# KiCad board SlowLampLEDPanel.kicad_pcb (continued)
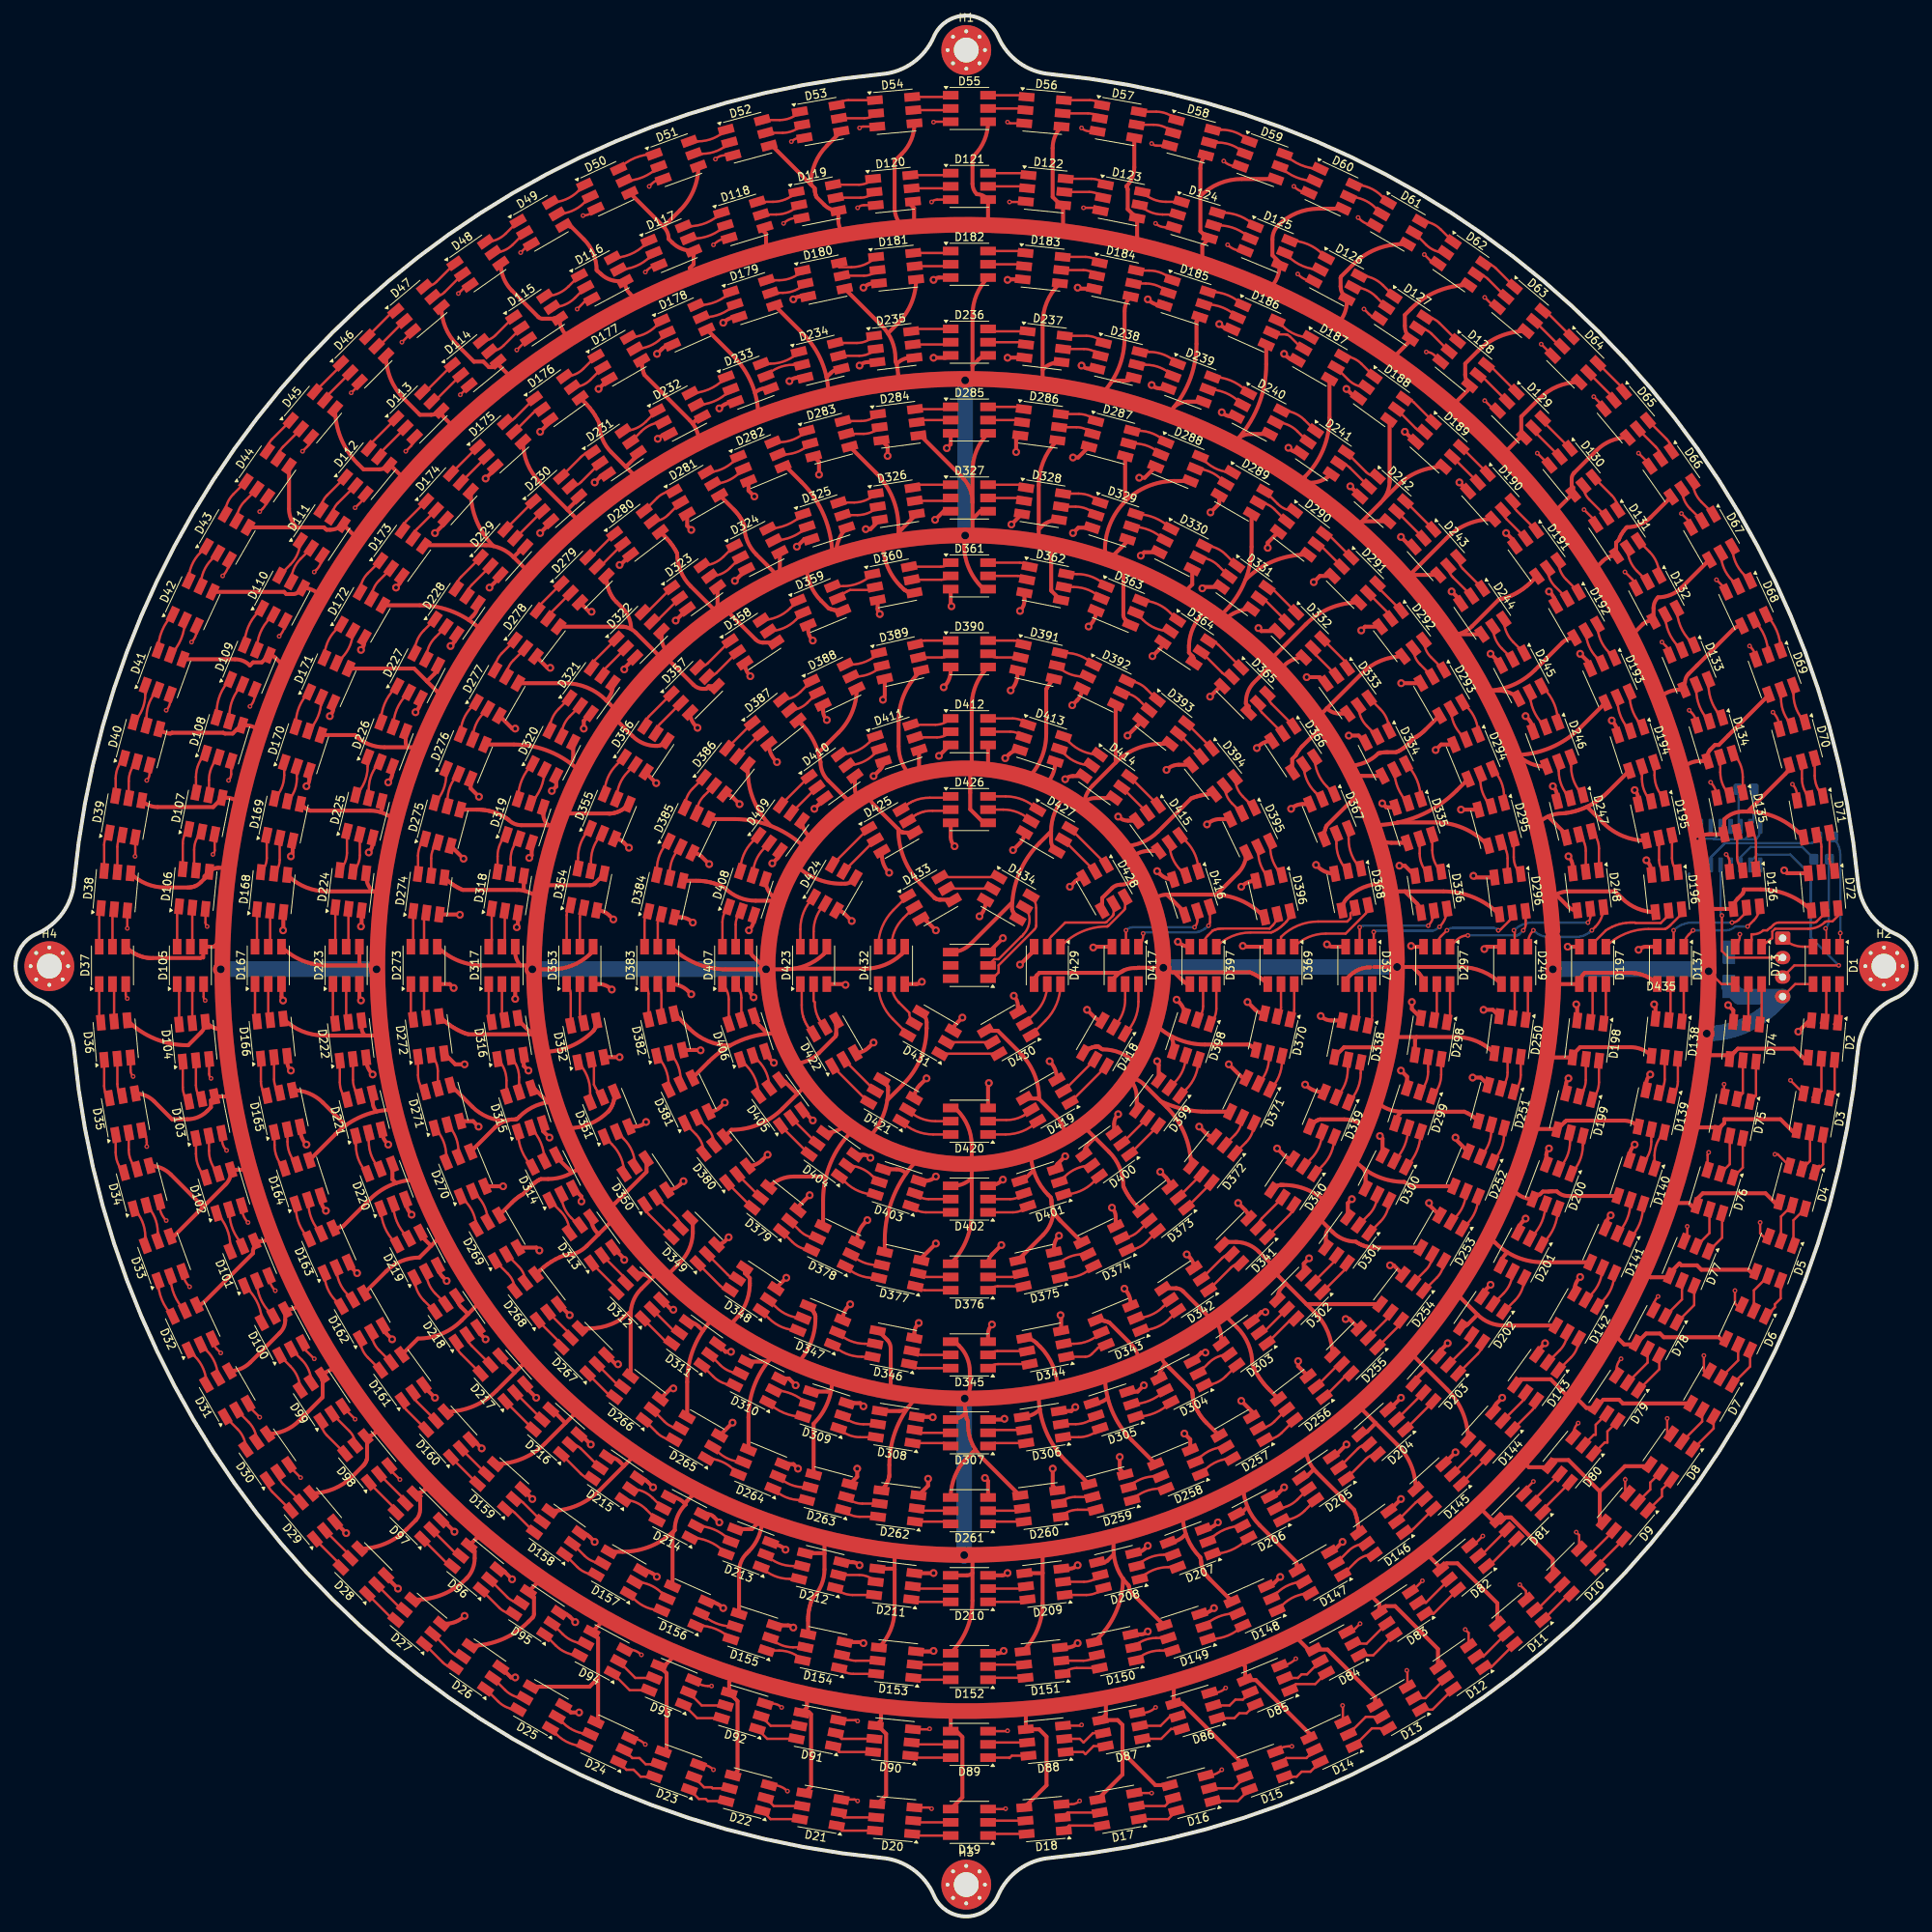
[diagram p0: board, top side]
## Routing (per net, layer and track width the routed paths; a pad name or vN(x,y) marks a point on that pad's centre or on a via; arc(x,y) is an arc through that point) (continued)
Net-(D154-DO): length 5
  Top w0.3: D155.1 98.02,34.13 arc(99.65,33.8) D154.6
Net-(D155-CO): length 4.8
  Top w0.3: D155.5 92.03,37.23 arc(89.86,37.66) D156.2
Net-(D155-DO): length 4.9
  Top w0.3: D156.1 87.66,37.33 arc(89.91,36.88) D155.6
Net-(D156-CO): length 4.8
  Top w0.3: D156.5 82.97,41.51 arc(81.38,42.57) D157.2
Net-(D156-DO): length 5
  Top w0.3: D157.1 79.36,40.77 arc(81.01,39.67) D156.6
Net-(D157-CO): length 4.8
  Top w0.3: D158.2 73.04,46.3 arc(74.1,45.59) D157.5
Net-(D157-DO): length 5
  Top w0.3: D158.1 72.1,44.86 arc(73.2,44.12) D157.6
Net-(D158-CO): length 4.7
  Top w0.3: D158.5 65.17,53.11 arc(64.63,53.46) D159.2
Net-(D158-DO): length 4.9
  Top w0.3: D158.6 64.07,51.82 arc(63.52,52.2) D159.1
Net-(D159-CO): length 4.6
  Top w0.3: D160.2 D159.5
Net-(D159-DO): length 4.8
  Top w0.3: D160.1 D159.6
Net-(D160-CO): length 4.7
  Top w0.3: D160.5 51.52,66.07 arc(51.16,66.61) D161.2
Net-(D160-DO): length 4.9
  Top w0.3: D160.6 50.16,65.03 arc(49.79,65.58) D161.1
Net-(D161-CO): length 4.8
  Top w0.3: D161.5 46.66,72.68 arc(45.94,73.74) D162.2
Net-(D161-DO): length 5
  Top w0.3: D161.6 45.22,71.74 arc(44.48,72.85) D162.1
Net-(D162-CO): length 4.8
  Top w0.3: D162.5 42.62,79.83 arc(41.57,81.41) D163.2
Net-(D162-DO): length 5
  Top w0.3: D162.6 41.13,79 arc(40.03,80.65) D163.1
Net-(D163-CO): length 4.8
  Top w0.3: D164.2 37.58,91.67 arc(38.01,89.5) D163.5
Net-(D163-DO): length 4.9
  Top w0.3: D164.1 35.97,91.13 arc(36.41,88.88) D163.6
Net-(D164-CO): length 4.8
  Top w0.3: D165.2 34.9,99.44 arc(35.21,97.88) D164.5
Net-(D164-DO): length 5
  Top w0.3: D165.1 33.24,99.03 arc(33.56,97.4) D164.6
Net-(D165-CO): length 4.8
  Top w0.3: D166.2 33.18,107.46 arc(33.37,106.52) D165.5
Net-(D165-DO): length 4.9
  Top w0.3: D166.1 31.49,107.18 arc(31.69,106.19) D165.6
Net-(D166-CO): length 4.7
  Top w0.3: D167.2 32.44,115.64 arc(32.5,115.33) D166.5
Net-(D166-DO): length 4.9
  Top w0.3: D167.1 30.74,115.49 arc(30.8,115.16) D166.6
Net-(D167-CO): length 4.7
  Top w0.3: D168.2 32.68,125.06 arc(32.62,124.75) D167.5
Net-(D167-DO): length 4.9
  Top w0.3: D168.1 30.99,125.09 arc(30.92,124.76) D167.6
Net-(D168-CO): length 4.8
  Top w0.3: D169.2 33.9,135.62 arc(33.72,134.68) D168.5
Net-(D168-DO): length 4.9
  Top w0.3: D169.1 32.24,135.87 arc(32.05,134.88) D168.6
Net-(D169-CO): length 4.8
  Top w0.3: D170.2 36.1,146.03 arc(35.79,144.47) D169.5
Net-(D169-DO): length 5
  Top w0.3: D170.1 34.48,146.49 arc(34.16,144.87) D169.6
Net-(D170-CO): length 4.8
  Top w0.3: D171.2 39.24,156.18 arc(38.81,154.01) D170.5
Net-(D170-DO): length 4.9
  Top w0.3: D170.6 35.97,153.03 arc(36.41,155.28) D171.1
Net-(D171-CO): length 4.8
  Top w0.3: D171.5 41.86,161.55 arc(42.92,163.13) D172.2
Net-(D171-DO): length 5
  Top w0.3: D172.1 41.13,165.15 arc(40.03,163.51) D171.6
Net-(D172-CO): length 4.8
  Top w0.3: D173.2 46.66,171.48 arc(45.94,170.41) D172.5
Net-(D172-DO): length 5
  Top w0.3: D173.1 45.22,172.42 arc(44.48,171.31) D172.6
Net-(D173-CO): length 4.7
  Top w0.3: D174.2 51.52,178.09 arc(51.16,177.55) D173.5
Net-(D173-DO): length 4.9
  Top w0.3: D174.1 50.16,179.13 arc(49.79,178.58) D173.6
Net-(D174-CO): length 4.6
  Top w0.3: D174.5 D175.2
Net-(D174-DO): length 4.8
  Top w0.3: D174.6 D175.1
Net-(D175-CO): length 4.7
  Top w0.3: D175.5 66.43,193 arc(66.96,193.35) D176.2
Net-(D175-DO): length 4.9
  Top w0.3: D176.1 64.07,192.33 arc(63.52,191.96) D175.6
Net-(D176-CO): length 4.8
  Top w0.3: D177.2 73.8,197.26 arc(72.73,196.55) D176.5
Net-(D176-DO): length 5
  Top w0.3: D177.1 72.89,198.68 arc(71.78,197.94) D176.6
Net-(D177-CO): length 4.8
  Top w0.3: D178.2 82.97,202.65 arc(81.38,201.59) D177.5
Net-(D177-DO): length 5
  Top w0.3: D178.1 82.25,204.18 arc(80.61,203.08) D177.6
Net-(D178-CO): length 4.8
  Top w0.3: D178.5 88.34,205.27 arc(90.51,205.71) D179.2
Net-(D178-DO): length 4.9
  Top w0.3: D178.6 87.66,206.83 arc(89.91,207.28) D179.1
Net-(D179-CO): length 4.8
  Top w0.3: D179.5 98.49,208.42 arc(100.05,208.73) D180.2
Net-(D179-DO): length 5
  Top w0.3: D179.6 98.02,210.03 arc(99.65,210.36) D180.1
Net-(D180-CO): length 4.8
  Top w0.3: D180.5 108.89,210.61 arc(109.84,210.8) D181.2
Net-(D180-DO): length 5.7
  Top w0.3: D180.6 105.72,211.71 105.72,211.71 107.28,211.71 arc(109.01,212.05) D181.1
Net-(D181-CO): length 4.7
  Top w0.3: D181.5 119.45,211.84 arc(119.77,211.9) D182.2
Net-(D181-DO): length 4.9
  Top w0.3: D181.6 119.43,213.53 arc(119.76,213.59) D182.1
Net-(D182-CO): length 4.7
  Top w0.3: D182.5 128.87,212.08 arc(129.19,212.02) D183.2
Net-(D182-DO): length 4.9
  Top w0.3: D182.6 129.03,213.78 arc(129.36,213.71) D183.1
Net-(D183-CO): length 4.8
  Top w0.3: D183.5 137.05,211.34 arc(138,211.15) D184.2
Net-(D183-DO): length 4.9
  Top w0.3: D183.6 137.34,213.03 arc(138.32,212.83) D184.1
Net-(D184-CO): length 4.8
  Top w0.3: D184.5 145.07,209.61 arc(146.64,209.3) D185.2
Net-(D184-DO): length 5
  Top w0.3: D184.6 145.49,211.28 arc(147.11,210.95) D185.1
Net-(D185-CO): length 4.8
  Top w0.3: D185.5 152.85,206.93 arc(155.01,206.5) D186.2
Net-(D185-DO): length 4.9
  Top w0.3: D185.6 153.38,208.55 arc(155.63,208.1) D186.1
Net-(D186-CO): length 4.9
  Top w0.3: D186.5 161.4,203.15 161.46,203.13 161.5,203.13 161.66,203.08 163.04,203.08 163.06,203.08 163.22,203.05 163.31,203.01 163.57,202.83 165.14,201.27 165.23,201.23 D187.2
Net-(D186-DO): length 5
  Top w0.3: D186.6 162.62,204.18 arc(164.27,203.08) D187.1
Net-(D187-CO): length 4.8
  Top w0.3: D187.5 171.07,197.26 arc(172.14,196.55) D188.2
Net-(D187-DO): length 5
  Top w0.3: D188.1 172.78,199.29 arc(171.67,200.03) D187.6
Net-(D188-CO): length 4.7
  Top w0.3: D188.5 179.71,191.05 arc(180.24,190.69) D189.2
Net-(D188-DO): length 4.9
  Top w0.3: D189.1 179.49,194.35 arc(178.93,194.73) D188.6
Net-(D189-CO): length 4.6
  Top w0.3: D189.5 D190.2
Net-(D189-DO): length 4.8
  Top w0.3: D189.6 D190.1
Net-(D190-CO): length 4.7
  Top w0.3: D191.2 191.41,179.35 arc(191.05,179.89) D190.5
Net-(D190-DO): length 4.9
  Top w0.3: D191.1 192.69,180.44 arc(192.32,181) D190.6
Net-(D191-CO): length 4.8
  Top w0.3: D192.2 197.62,170.72 arc(196.91,171.78) D191.5
Net-(D191-DO): length 5
  Top w0.3: D192.1 199.03,171.63 arc(198.29,172.73) D191.6
Net-(D192-CO): length 4.8
  Top w0.3: D193.2 203.01,161.55 arc(201.95,163.13) D192.5
Net-(D192-DO): length 5
  Top w0.3: D193.1 204.54,162.27 arc(203.44,163.91) D192.6
Net-(D193-CO): length 4.8
  Top w0.3: D193.5 205.63,156.18 arc(206.06,154.01) D194.2
Net-(D193-DO): length 4.9
  Top w0.3: D193.6 207.19,156.86 arc(207.63,154.61) D194.1
Net-(D194-CO): length 4.8
  Top w0.3: D194.5 208.77,146.03 arc(209.08,144.47) D195.2
Net-(D194-DO): length 5
  Top w0.3: D194.6 210.39,146.49 arc(210.71,144.87) D195.1
Net-(D195-CO): length 4.8
  Top w0.3: D195.5 210.97,135.62 arc(211.16,134.68) D196.2
Net-(D195-DO): length 4.9
  Top w0.3: D195.6 212.63,135.87 arc(212.83,134.88) D196.1
Net-(D196-CO): length 12
  Top w0.3: D196.5 212.19,128.99 arc(212.18,128.88) 212.16,128.78 arc(212.02,128.42) 211.79,128.12 211.19,127.52 207.98,127.52 arc(207.9,127.53) 207.84,127.58 207.46,127.58 207.22,127.58 206.76,127.54 206.29,127.47 205.84,127.36 205.39,127.21 204.96,127.03 204.54,126.82 204.14,126.57 202.71,125.15 arc(202.51,124.84) D197.2
Net-(D196-DO): length 11.7
  Top w0.3: D196.6 213.88,129.15 213.87,129.04 213.85,128.9 213.82,128.79 213.79,128.71 213.77,128.66 213.75,128.61 213.74,128.58 213.68,128.5 212.42,127.24 212.3,127.12 212.19,127.03 212.05,126.92 211.93,126.85 211.84,126.8 211.77,126.77 211.72,126.75 209.61,126.75 arc(206.65,126.16) D197.1
Net-(D197-CO): length 4.9
  Top w0.3: D197.5 202.44,115.53 arc(202.36,115.14) D198.2
Net-(D197-DO): length 5.1
  Top w0.3: D197.6 204.14,115.35 arc(204.06,114.95) D198.1
Net-(D198-CO): length 5
  Top w0.3: D198.5 201.56,107.38 arc(201.34,106.24) D199.2
Net-(D198-DO): length 5.2
  Top w0.3: D198.6 203.25,107.07 arc(203.01,105.87) D199.1
Net-(D199-CO): length 5
  Top w0.3: D199.5 199.54,99.45 arc(199.16,97.56) D200.2
Net-(D199-DO): length 5.2
  Top w0.3: D199.6 201.19,99 arc(200.8,97.02) D200.1
Net-(D200-CO): length 5
  Top w0.3: D201.2 194.66,87.3 arc(195.94,89.21) D200.5
Net-(D200-DO): length 5.2
  Top w0.3: D201.1 196.18,86.52 arc(197.51,88.51) D200.6
Net-(D201-CO): length 5
  Top w0.3: D202.2 190.99,79.96 arc(191.86,81.25) D201.5
Net-(D201-DO): length 5.3
  Top w0.3: D202.1 192.45,79.05 arc(193.35,80.4) D201.6
Net-(D202-CO): length 5
  Top w0.3: D203.2 186.33,73.24 arc(186.76,73.89) D202.5
Net-(D202-DO): length 5.2
  Top w0.3: D203.1 187.7,72.22 arc(188.15,72.89) D202.6
Net-(D203-CO): length 4.9
  Top w0.3: D203.5 D204.2
Net-(D203-DO): length 5.1
  Top w0.3: D203.6 D204.1
Net-(D204-CO): length 5
  Top w0.3: D205.2 172.27,60.02 arc(172.92,60.45) D204.5
Net-(D204-DO): length 5.2
  Top w0.3: D205.1 173.34,58.72 arc(174.02,59.18) D204.6
Net-(D205-CO): length 5
  Top w0.3: D205.5 164.55,53.52 arc(163.26,52.66) D206.2
Net-(D205-DO): length 5.3
  Top w0.3: D205.6 165.46,52.07 arc(164.12,51.17) D206.1
Net-(D206-CO): length 5
  Top w0.3: D207.2 153.32,48.4 arc(155.23,49.68) D206.5
Net-(D206-DO): length 5.2
  Top w0.3: D206.6 158,48.34 arc(156,47.01) D207.1
Net-(D207-CO): length 5
  Top w0.3: D207.5 147.41,46.43 arc(145.52,46.05) D208.2
Net-(D207-DO): length 5.2
  Top w0.3: D207.6 147.96,44.84 arc(145.99,44.45) D208.1
Net-(D208-CO): length 5
  Top w0.3: D209.2 137.13,42.95 arc(138.28,43.18) D208.5
Net-(D208-DO): length 5.2
  Top w0.3: D209.1 137.45,41.26 arc(138.65,41.5) D208.6
Net-(D209-CO): length 4.9
  Top w0.3: D210.2 128.99,42.08 arc(129.37,42.16) D209.5
Net-(D209-DO): length 5.1
  Top w0.3: D210.1 129.16,40.38 arc(129.56,40.46) D209.6
Net-(D210-CO): length 4.9
  Top w0.3: D210.5 115.89,42.08 arc(115.5,42.16) D211.2
Net-(D210-DO): length 5.1
  Top w0.3: D210.6 115.71,40.38 arc(115.31,40.46) D211.1
Net-(D211-CO): length 5
  Top w0.3: D212.2 108.29,43.83 arc(109.44,43.6) D211.5
Net-(D211-DO): length 5.2
  Top w0.3: D211.6 107.42,41.26 arc(106.23,41.5) D212.1
Net-(D212-CO): length 5
  Top w0.3: D212.5 99.81,44.98 arc(97.92,45.35) D213.2
Net-(D212-DO): length 5.2
  Top w0.3: D212.6 99.35,43.33 arc(97.38,43.72) D213.1
Net-(D213-CO): length 5
  Top w0.3: D213.5 91.55,48.4 arc(89.64,49.68) D214.2
Net-(D213-DO): length 5.2
  Top w0.3: D213.6 90.94,46.82 arc(88.95,48.15) D214.1
Net-(D214-CO): length 5
  Top w0.3: D214.5 81.78,53.71 arc(80.49,54.57) D215.2
Net-(D214-DO): length 5.3
  Top w0.3: D214.6 80.93,52.26 arc(79.59,53.16) D215.1
Net-(D215-CO): length 5
  Top w0.3: D215.5 72.6,60.02 arc(71.95,60.45) D216.2
Net-(D215-DO): length 5.2
  Top w0.3: D216.1 72.57,56.82 arc(73.25,56.36) D215.6
Net-(D216-CO): length 4.9
  Top w0.3: D217.2 D216.5
Net-(D216-DO): length 5.1
  Top w0.3: D217.1 D216.6
Net-(D217-CO): length 5
  Top w0.3: D217.5 58.55,73.24 arc(58.11,73.89) D218.2
Net-(D217-DO): length 5.2
  Top w0.3: D217.6 57.17,72.22 arc(56.72,72.89) D218.1
Net-(D218-CO): length 5
  Top w0.3: D218.5 53.88,79.96 arc(53.02,81.25) D219.2
Net-(D218-DO): length 5.3
  Top w0.3: D218.6 52.42,79.05 arc(51.53,80.4) D219.1
Net-(D219-CO): length 5
  Top w0.3: D219.5 50.21,87.3 arc(48.94,89.21) D220.2
Net-(D219-DO): length 5.2
  Top w0.3: D219.6 48.7,86.52 arc(47.36,88.51) D220.1
Net-(D220-CO): length 5
  Top w0.3: D221.2 45.34,99.45 arc(45.71,97.56) D220.5
Net-(D220-DO): length 5.2
  Top w0.3: D221.1 43.69,99 arc(44.08,97.02) D220.6
Net-(D221-CO): length 5
  Top w0.3: D222.2 43.31,107.38 arc(43.54,106.24) D221.5
Net-(D221-DO): length 5.2
  Top w0.3: D222.1 41.62,107.07 arc(41.86,105.87) D221.6
Net-(D222-CO): length 4.9
  Top w0.3: D223.2 42.44,115.53 arc(42.51,115.14) D222.5
Net-(D222-DO): length 5.1
  Top w0.3: D223.1 40.74,115.35 arc(40.82,114.95) D222.6
Net-(D223-CO): length 4.9
  Top w0.3: D224.2 42.73,125.19 arc(42.65,124.81) D223.5
Net-(D223-DO): length 5.1
  Top w0.3: D224.1 41.04,125.22 arc(40.96,124.82) D223.6
Net-(D224-CO): length 5
  Top w0.3: D225.2 44.19,136.22 arc(43.96,135.08) D224.5
Net-(D224-DO): length 5.2
  Top w0.3: D225.1 42.54,136.52 arc(42.3,135.32) D224.6
Net-(D225-CO): length 5
  Top w0.3: D225.5 45.34,144.71 arc(45.71,146.6) D226.2
Net-(D225-DO): length 5.2
  Top w0.3: D226.1 45.19,147.61 arc(44.8,145.63) D225.6
Net-(D226-CO): length 5
  Top w0.3: D227.2 50.21,156.86 arc(48.94,154.95) D226.5
Net-(D226-DO): length 5.2
  Top w0.3: D227.1 48.7,157.64 arc(47.36,155.65) D226.6
Net-(D227-CO): length 5
  Top w0.3: D228.2 53.88,164.2 arc(53.02,162.9) D227.5
Net-(D227-DO): length 5.3
  Top w0.3: D228.1 52.42,165.1 arc(51.53,163.76) D227.6
Net-(D228-CO): length 5
  Top w0.3: D229.2 58.55,170.92 arc(58.11,170.27) D228.5
Net-(D228-DO): length 5.2
  Top w0.3: D229.1 57.17,171.94 arc(56.72,171.26) D228.6
Net-(D229-CO): length 4.9
  Top w0.3: D229.5 D230.2
Net-(D229-DO): length 5.1
  Top w0.3: D229.6 D230.1
Net-(D230-CO): length 5
  Top w0.3: D231.2 72.6,184.14 arc(71.95,183.7) D230.5
Net-(D230-DO): length 5.2
  Top w0.3: D230.6 72.57,187.34 arc(73.25,187.79) D231.1
Net-(D231-CO): length 5
  Top w0.3: D231.5 80.32,190.64 arc(81.61,191.5) D232.2
Net-(D231-DO): length 5.3
  Top w0.3: D232.1 80.93,191.89 arc(79.59,191) D231.6
Net-(D232-CO): length 5
  Top w0.3: D233.2 91.55,195.76 arc(89.64,194.48) D232.5
Net-(D232-DO): length 5.2
  Top w0.3: D233.1 90.94,197.34 arc(88.95,196) D232.6
Net-(D233-CO): length 5
  Top w0.3: D234.2 99.81,199.18 arc(97.92,198.8) D233.5
Net-(D233-DO): length 5.2
  Top w0.3: D233.6 96.91,199.32 arc(98.88,199.71) D234.1
Net-(D234-CO): length 5
  Top w0.3: D234.5 108.29,200.33 arc(109.44,200.56) D235.2
Net-(D234-DO): length 5.2
  Top w0.3: D234.6 108,201.98 arc(109.19,202.22) D235.1
Net-(D235-CO): length 4.9
  Top w0.3: D235.5 119.33,201.79 arc(119.71,201.86) D236.2
Net-(D235-DO): length 5.1
  Top w0.3: D236.1 115.71,203.78 arc(115.31,203.7) D235.6
Net-(D236-CO): length 4.9
  Top w0.3: D236.5 128.99,202.08 arc(129.37,202) D237.2
Net-(D236-DO): length 5.1
  Top w0.3: D237.1 125.58,203.47 arc(125.18,203.55) D236.6
Net-(D237-CO): length 5
  Top w0.3: D237.5 137.13,201.21 arc(138.28,200.98) D238.2
Net-(D237-DO): length 5.2
  Top w0.3: D237.6 137.45,202.89 arc(138.65,202.66) D238.1
Net-(D238-CO): length 5
  Top w0.3: D238.5 145.06,199.18 arc(146.96,198.8) D239.2
Net-(D238-DO): length 5.2
  Top w0.3: D238.6 145.52,200.83 arc(147.49,200.44) D239.1
Net-(D239-CO): length 5
  Top w0.3: D240.2 157.22,194.3 arc(155.31,195.58) D239.5
Net-(D239-DO): length 5.2
  Top w0.3: D240.1 158,195.82 arc(156,197.15) D239.6
Net-(D240-CO): length 5
  Top w0.3: D241.2 164.55,190.64 arc(163.26,191.5) D240.5
Net-(D240-DO): length 5.3
  Top w0.3: D241.1 165.46,192.09 arc(164.12,192.99) D240.6
Net-(D241-CO): length 5
  Top w0.3: D242.2 171.27,185.97 arc(170.62,186.4) D241.5
Net-(D241-DO): length 5.2
  Top w0.3: D241.6 173.34,185.44 arc(174.02,184.98) D242.1
Net-(D242-CO): length 4.9
  Top w0.3: D242.5 D243.2
Net-(D242-DO): length 5.1
  Top w0.3: D242.6 D243.1
Net-(D243-CO): length 5
  Top w0.3: D244.2 184.5,171.92 arc(184.06,172.57) D243.5
Net-(D243-DO): length 5.2
  Top w0.3: D244.1 185.79,172.98 arc(185.34,173.66) D243.6
Net-(D244-CO): length 5
  Top w0.3: D245.2 190.8,162.74 arc(189.94,164.03) D244.5
Net-(D244-DO): length 5.3
  Top w0.3: D245.1 192.25,163.58 arc(191.35,164.93) D244.6
Net-(D245-CO): length 5
  Top w0.3: D246.2 196.12,152.96 arc(194.84,154.88) D245.5
Net-(D245-DO): length 5.2
  Top w0.3: D245.6 196.18,157.64 arc(197.51,155.65) D246.1
Net-(D246-CO): length 5
  Top w0.3: D246.5 198.09,147.05 arc(198.47,145.16) D247.2
Net-(D246-DO): length 5.2
  Top w0.3: D246.6 199.68,147.61 arc(200.07,145.63) D247.1
Net-(D247-CO): length 5
  Top w0.3: D248.2 201.56,136.78 arc(201.34,137.92) D247.5
Net-(D247-DO): length 5.2
  Top w0.3: D248.1 203.25,137.09 arc(203.01,138.29) D247.6
Net-(D248-CO): length 13.7
  Top w0.3: D248.5 202.14,128.32 arc(202.06,127.92) v2(201.84,127.58) ; D249.2 192.44,126.34 arc(192.41,126.47) v2(192.34,126.58)
  Bottom w0.3: v2(201.84,127.58) 194.75,127.58 arc(193.44,127.32) v2(192.34,126.58)
Net-(D248-DO): length 13.7
  Top w0.3: D249.1 194.14,124.89 arc(194.32,125.8) v2(194.84,126.58) ; v2(202.34,126.58) 202.79,127.03 arc(203.56,128.19) D248.6
  Bottom w0.3: 200.34,125.73 196.89,125.73 196.89,125.73 arc(195.78,125.95) v2(194.84,126.58) ; v2(202.34,126.58) 202.22,126.47 arc(202.1,126.36) 201.96,126.26 arc(201.17,125.86) 200.28,125.73
Net-(D249-CO): length 4.4
  Top w0.3: D249.5 192.44,116.01 arc(192.36,115.64) D250.2
Net-(D249-DO): length 4.7
  Top w0.3: D249.6 194.14,115.82 arc(194.06,115.43) D250.1
Net-(D250-CO): length 4.5
  Top w0.3: D250.5 191.52,108.34 arc(191.3,107.22) D251.2
Net-(D250-DO): length 4.7
  Top w0.3: D250.6 193.21,108 arc(192.98,106.83) D251.1
Net-(D251-CO): length 4.5
  Top w0.3: D251.5 189.43,100.9 arc(189.07,99.06) D252.2
Net-(D251-DO): length 4.7
  Top w0.3: D251.6 191.07,100.42 arc(190.69,98.49) D252.1
Net-(D252-CO): length 4.5
  Top w0.3: D253.2 184.79,89.69 arc(185.83,91.24) D252.5
Net-(D252-DO): length 4.7
  Top w0.3: D253.1 186.29,88.86 arc(187.38,90.5) D252.6
Net-(D253-CO): length 4.5
  Top w0.3: D254.2 181.01,82.94 arc(181.64,83.89) D253.5
Net-(D253-DO): length 4.7
  Top w0.3: D254.1 182.44,81.99 arc(183.1,82.98) D253.6
Net-(D254-CO): length 4.4
  Top w0.3: D255.2 176.22,76.87 arc(176.44,77.19) D254.5
Net-(D254-DO): length 4.7
  Top w0.3: D255.1 177.56,75.8 arc(177.78,76.13) D254.6
Net-(D255-CO): length 4.4
  Top w0.3: D256.2 169.55,70.6 arc(169.86,70.81) D255.5
Net-(D255-DO): length 4.7
  Top w0.3: D256.1 170.71,69.38 arc(171.05,69.6) D255.6
Net-(D256-CO): length 4.5
  Top w0.3: D256.5 161.57,63.51 arc(160.63,62.88) D257.2
Net-(D256-DO): length 4.7
  Top w0.3: D256.6 162.53,62.08 arc(161.54,61.42) D257.1
Net-(D257-CO): length 4.5
  Top w0.3: D258.2 151.97,58.85 arc(153.52,59.89) D257.5
Net-(D257-DO): length 4.7
  Top w0.3: D258.1 152.65,57.31 arc(154.28,58.4) D257.6
Net-(D258-CO): length 4.5
  Top w0.3: D258.5 146.26,56.49 arc(144.43,56.12) D259.2
Net-(D258-DO): length 4.7
  Top w0.3: D258.6 146.87,54.92 arc(144.95,54.54) D259.1
Net-(D259-CO): length 4.5
  Top w0.3: D259.5 136.01,53.84 arc(134.9,53.62) D260.2
Net-(D259-DO): length 4.7
  Top w0.3: D259.6 136.34,52.2 arc(135.17,51.97) D260.1
Net-(D260-CO): length 4.4
  Top w0.3: D261.2 128.5,52.08 arc(128.88,52.15) D260.5
Net-(D260-DO): length 4.7
  Top w0.3: D260.6 125.56,50.68 arc(125.17,50.6) D261.1
Net-(D261-CO): length 4.4
  Top w0.3: D261.5 116.37,52.08 arc(116,52.15) D262.2
Net-(D261-DO): length 4.7
  Top w0.3: D262.1 119.31,50.68 arc(119.7,50.6) D261.6
Net-(D262-CO): length 4.5
  Top w0.3: D262.5 108.69,52.99 arc(107.58,53.21) D263.2
Net-(D262-DO): length 4.7
  Top w0.3: D262.6 108.36,51.31 arc(107.19,51.54) D263.1
Net-(D263-CO): length 4.5
  Top w0.3: D263.5 101.25,55.09 arc(99.42,55.45) D264.2
Net-(D263-DO): length 4.7
  Top w0.3: D263.6 100.78,53.44 arc(98.85,53.83) D264.1
Net-(D264-CO): length 4.5
  Top w0.3: D265.2 90.04,59.73 arc(91.6,58.69) D264.5
Net-(D264-DO): length 4.7
  Top w0.3: D264.6 92.23,57.31 arc(90.59,58.4) D265.1
Net-(D265-CO): length 4.5
  Top w0.3: D266.2 83.3,63.51 arc(84.25,62.88) D265.5
Net-(D265-DO): length 4.7
  Top w0.3: D266.1 82.35,62.08 arc(83.34,61.42) D265.6
Net-(D266-CO): length 4.4
  Top w0.3: D267.2 77.23,68.29 arc(77.55,68.08) D266.5
Net-(D266-DO): length 4.7
  Top w0.3: D267.1 76.16,66.96 arc(76.49,66.73) D266.6
Net-(D267-CO): length 4.4
  Top w0.3: D268.2 70.96,74.97 arc(71.17,74.65) D267.5
Net-(D267-DO): length 4.7
  Top w0.3: D268.1 69.74,73.8 arc(69.96,73.47) D267.6
Net-(D268-CO): length 4.5
  Top w0.3: D269.2 64.59,83.43 arc(65.22,82.48) D268.5
Net-(D268-DO): length 4.7
  Top w0.3: D269.1 63.2,82.5 arc(63.86,81.5) D268.6
Net-(D269-CO): length 4.5
  Top w0.3: D270.2 59.21,92.55 arc(60.25,90.99) D269.5
Net-(D269-DO): length 4.7
  Top w0.3: D270.1 57.67,91.87 arc(58.76,90.24) D269.6
Net-(D270-CO): length 4.5
  Top w0.3: D270.5 56.85,98.26 arc(56.48,100.09) D271.2
Net-(D270-DO): length 4.7
  Top w0.3: D270.6 55.28,97.64 arc(54.89,99.57) D271.1
Net-(D271-CO): length 4.5
  Top w0.3: D271.5 54.2,108.51 arc(53.98,109.62) D272.2
Net-(D271-DO): length 4.7
  Top w0.3: D272.1 51.66,108 arc(51.9,106.83) D271.6
Net-(D272-CO): length 4.4
  Top w0.3: D273.2 52.44,116.01 arc(52.51,115.64) D272.5
Net-(D272-DO): length 4.7
  Top w0.3: D273.1 50.74,115.82 arc(50.81,115.43) D272.6
Net-(D273-CO): length 4.4
  Top w0.3: D273.5 52.44,128.15 arc(52.51,128.52) D274.2
Net-(D273-DO): length 4.7
  Top w0.3: D274.1 51.04,125.2 arc(50.96,124.81) D273.6
Net-(D274-CO): length 4.5
  Top w0.3: D274.5 53.35,135.82 arc(53.57,136.93) D275.2
Net-(D274-DO): length 4.7
  Top w0.3: D274.6 51.66,136.16 arc(51.9,137.33) D275.1
Net-(D275-CO): length 4.5
  Top w0.3: D275.5 55.44,143.26 arc(55.81,145.1) D276.2
Net-(D275-DO): length 4.7
  Top w0.3: D276.1 55.28,146.52 arc(54.89,144.59) D275.6
Net-(D276-CO): length 4.5
  Top w0.3: D277.2 60.09,154.47 arc(59.05,152.92) D276.5
Net-(D276-DO): length 4.7
  Top w0.3: D277.1 58.59,155.3 arc(57.5,153.66) D276.6
Net-(D277-CO): length 4.5
  Top w0.3: D278.2 63.87,161.21 arc(63.24,160.27) D277.5
Net-(D277-DO): length 4.7
  Top w0.3: D278.1 62.44,162.17 arc(61.78,161.18) D277.6
Net-(D278-CO): length 4.4
  Top w0.3: D279.2 68.65,167.29 arc(68.44,166.97) D278.5
Net-(D278-DO): length 4.7
  Top w0.3: D279.1 67.31,168.36 arc(67.09,168.02) D278.6
Net-(D279-CO): length 4.4
  Top w0.3: D280.2 75.33,173.56 arc(75.01,173.35) D279.5
Net-(D279-DO): length 4.7
  Top w0.3: D280.1 74.16,174.78 arc(73.83,174.55) D279.6
Net-(D280-CO): length 4.5
  Top w0.3: D281.2 83.78,179.93 arc(82.84,179.3) D280.5
Net-(D280-DO): length 4.7
  Top w0.3: D280.6 82.35,182.08 arc(83.34,182.74) D281.1
Net-(D281-CO): length 4.5
  Top w0.3: D282.2 92.9,185.3 arc(91.35,184.27) D281.5
Net-(D281-DO): length 4.7
  Top w0.3: D282.1 92.23,186.85 arc(90.59,185.76) D281.6
Net-(D282-CO): length 4.5
  Top w0.3: D282.5 98.61,187.67 arc(100.45,188.03) D283.2
Net-(D282-DO): length 4.7
  Top w0.3: D282.6 98,189.24 arc(99.93,189.62) D283.1
Net-(D283-CO): length 4.5
  Top w0.3: D283.5 108.86,190.32 arc(109.98,190.54) D284.2
Net-(D283-DO): length 4.7
  Top w0.3: D283.6 108.54,191.96 arc(109.71,192.19) D284.1
Net-(D284-CO): length 4.4
  Top w0.3: D285.2 116.37,192.08 arc(116,192.01) D284.5
Net-(D284-DO): length 4.7
  Top w0.3: D284.6 119.31,193.48 arc(119.7,193.56) D285.1
Net-(D285-CO): length 4.4
  Top w0.3: D285.5 128.5,192.08 arc(128.88,192.01) D286.2
Net-(D285-DO): length 4.7
  Top w0.3: D285.6 128.69,193.78 arc(129.08,193.7) D286.1
Net-(D286-CO): length 4.5
  Top w0.3: D286.5 136.18,191.17 arc(137.29,190.95) D287.2
Net-(D286-DO): length 4.7
  Top w0.3: D286.6 136.51,192.85 arc(137.68,192.62) D287.1
Net-(D287-CO): length 4.5
  Top w0.3: D287.5 143.62,189.07 arc(145.45,188.71) D288.2
Net-(D287-DO): length 4.7
  Top w0.3: D287.6 144.1,190.72 arc(146.02,190.33) D288.1
Net-(D288-CO): length 4.5
  Top w0.3: D289.2 154.83,184.43 arc(153.28,185.47) D288.5
Net-(D288-DO): length 4.7
  Top w0.3: D288.6 152.65,186.85 arc(154.28,185.76) D289.1
Net-(D289-CO): length 4.5
  Top w0.3: D290.2 161.57,180.65 arc(160.63,181.28) D289.5
Net-(D289-DO): length 4.7
  Top w0.3: D289.6 162.02,181.32 arc(163.01,180.66) D290.1
Net-(D290-CO): length 4.4
  Top w0.3: D291.2 167.64,175.87 arc(167.33,176.08) D290.5
Net-(D290-DO): length 4.7
  Top w0.3: D291.1 168.71,177.2 arc(168.38,177.42) D290.6
Net-(D291-CO): length 4.4
  Top w0.3: D291.5 176.22,167.29 arc(176.44,166.97) D292.2
Net-(D291-DO): length 4.7
  Top w0.3: D292.1 175.13,170.36 arc(174.91,170.69) D291.6
Net-(D292-CO): length 4.5
  Top w0.3: D293.2 180.28,160.73 arc(179.65,161.68) D292.5
Net-(D292-DO): length 4.7
  Top w0.3: D293.1 181.68,161.66 arc(181.01,162.65) D292.6
Net-(D293-CO): length 4.5
  Top w0.3: D294.2 185.66,151.61 arc(184.62,153.17) D293.5
Net-(D293-DO): length 4.7
  Top w0.3: D293.6 186.29,155.3 arc(187.38,153.66) D294.1
Net-(D294-CO): length 4.5
  Top w0.3: D294.5 188.03,145.9 arc(188.39,144.07) D295.2
Net-(D294-DO): length 4.7
  Top w0.3: D295.1 191.07,143.74 arc(190.69,145.67) D294.6
Net-(D295-CO): length 4.5
  Top w0.3: D296.2 191.52,135.82 arc(191.3,136.93) D295.5
Net-(D295-DO): length 4.7
  Top w0.3: D295.6 192.31,135.98 arc(192.55,134.81) D296.1
Net-(D296-CO): length 12.4
  Top w0.3: v2(183.74,126.58) 183,125.85 arc(182.58,125.22) D297.2 ; D296.5 arc(192.04,128.26) 191.71,127.76 190.65,126.71 arc(190.51,126.61) v2(190.34,126.58)
  Bottom w0.3: v2(190.34,126.58) 190.26,126.65 190.18,126.71 190.02,126.81 189.84,126.87 189.65,126.9 184.52,126.9 arc(184.1,126.82) v2(183.74,126.58)
Net-(D296-DO): length 12.7
  Top w0.3: D297.1 184.99,125.33 arc(185.65,125.77) v2(186.43,125.93) ; D296.6 193.84,127.3 arc(193.76,126.91) v2(193.54,126.58)
  Bottom w0.3: v2(186.43,125.93) 192.61,125.93 192.69,125.93 192.87,125.98 193.02,126.07 193.08,126.13 v2(193.54,126.58)
Net-(D297-CO): length 4.7
  Top w0.3: D297.5 182.44,115.94 arc(182.34,115.47) D298.2
Net-(D297-DO): length 5
  Top w0.3: D297.6 184.14,115.73 arc(184.04,115.22) D298.1
Net-(D298-CO): length 4.8
  Top w0.3: D298.5 181.32,108.43 arc(181.04,107.02) D299.2
Net-(D298-DO): length 5.1
  Top w0.3: D298.6 183,108.06 arc(182.7,106.56) D299.1
Net-(D299-CO): length 4.8
  Top w0.3: D299.5 arc(178.3,98.94) D300.2
